# KiCad board Soft_Power_Switch_panelized.kicad_pcb (continued)
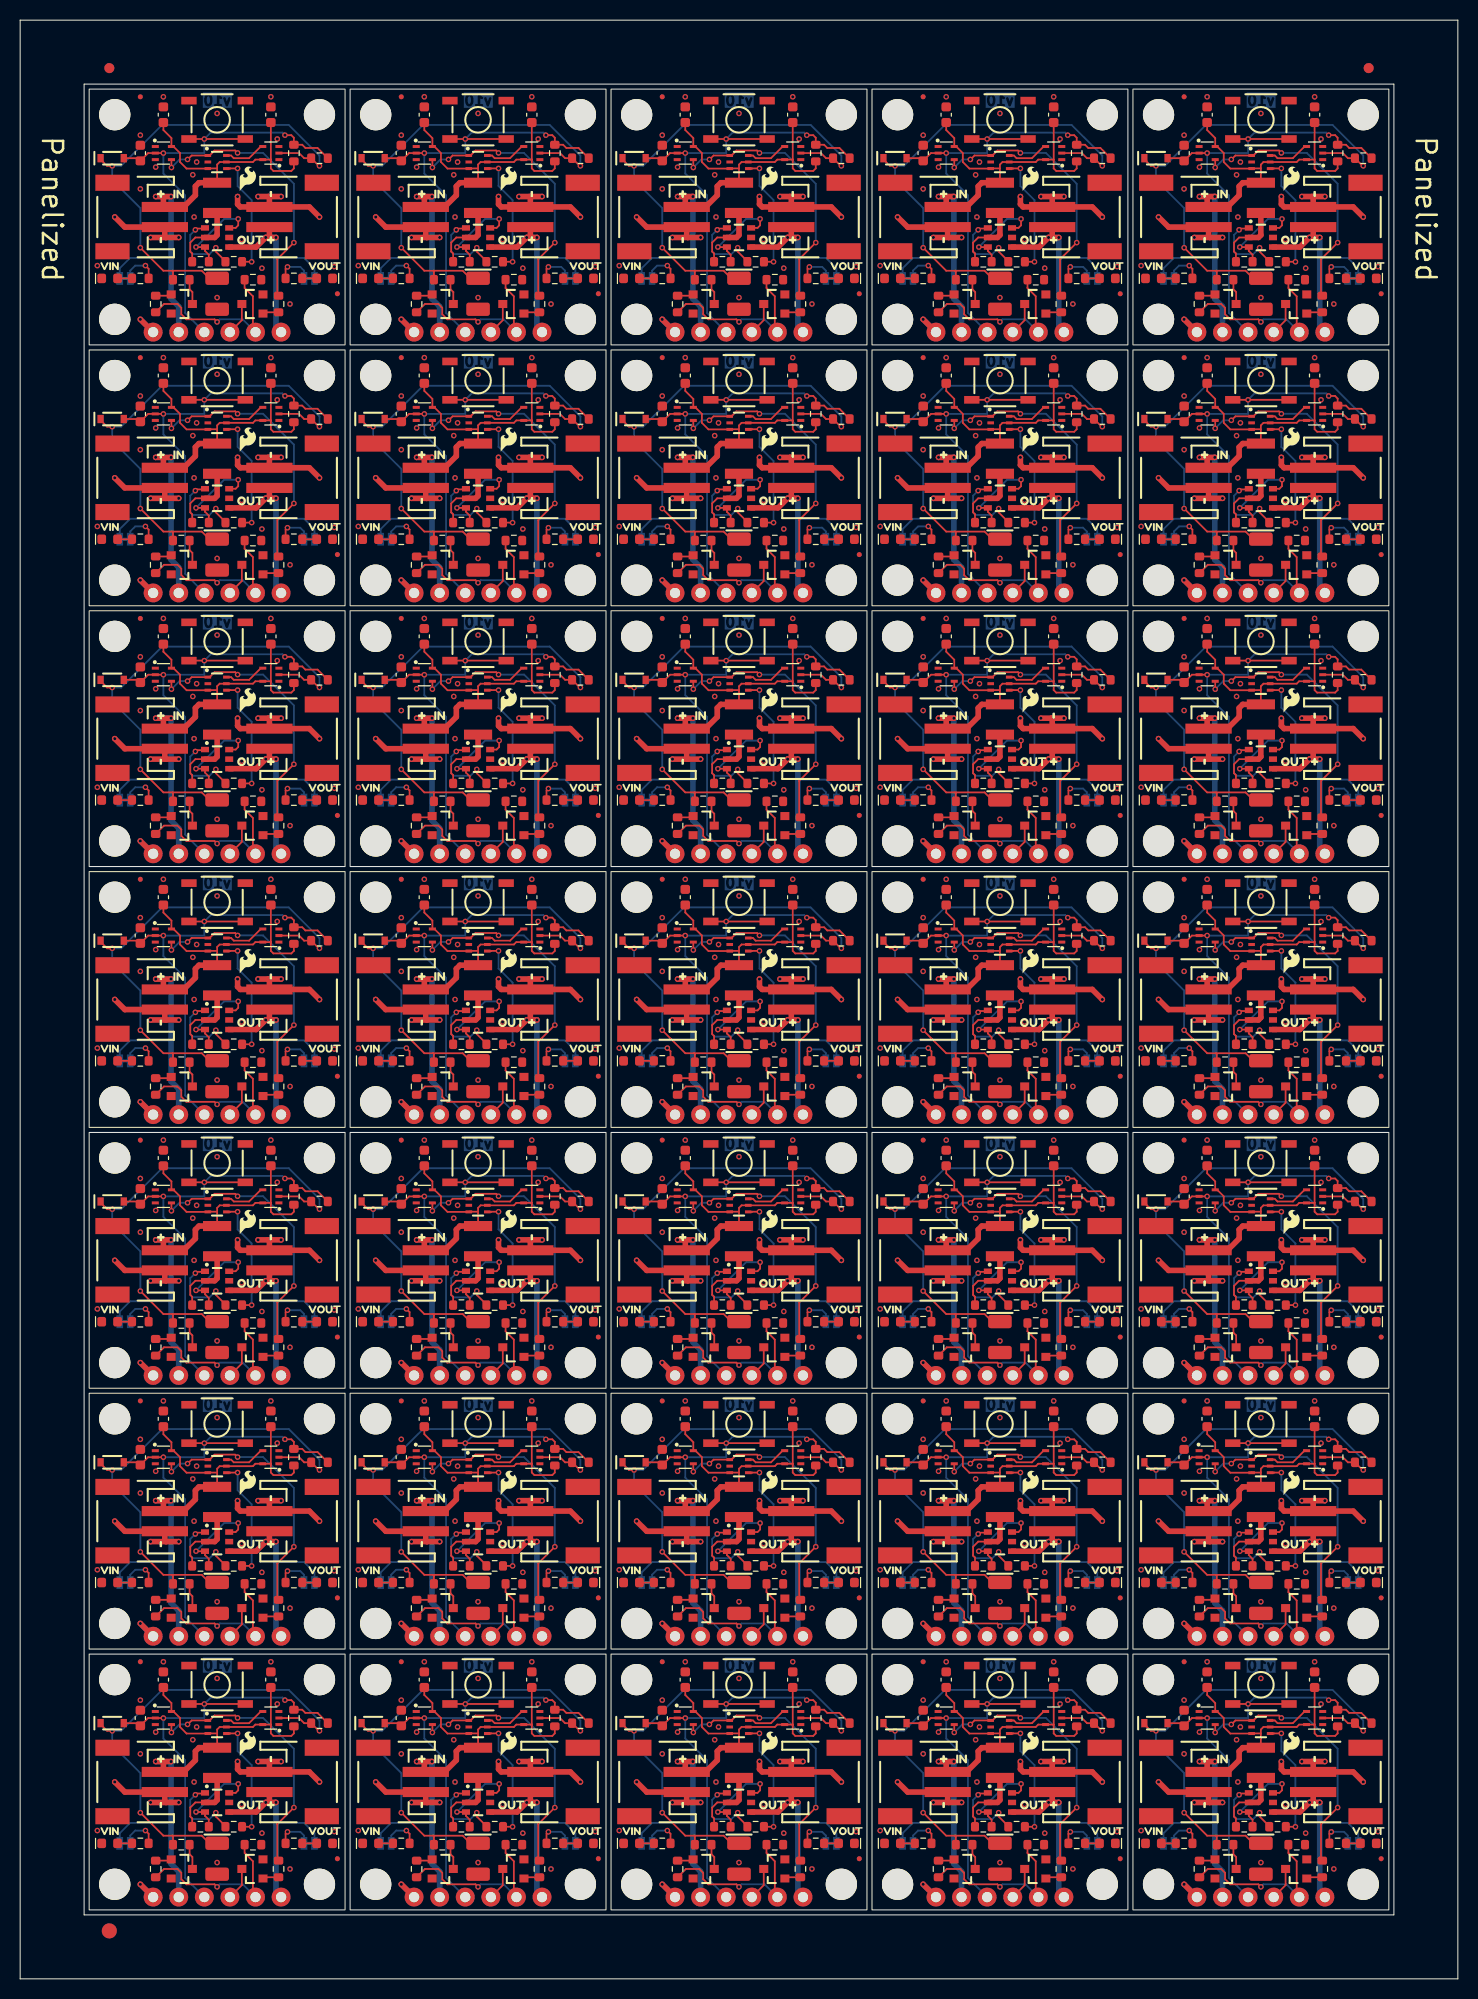
[diagram p0: board, top side]
## Placement (name value [footprint] x y rotation side) (continued)
R1#24  1k  [R_0603_1608Metric]  104.87 77.7 90 top
R1#25  1k  [R_0603_1608Metric]  27.17 51.8 90 top
R1#26  1k  [R_0603_1608Metric]  78.97 77.7 90 top
R1#27  1k  [R_0603_1608Metric]  104.87 103.6 90 top
R1#28  1k  [R_0603_1608Metric]  27.17 103.6 90 top
R1#29  1k  [R_0603_1608Metric]  27.17 77.7 90 top
R1#30  1k  [R_0603_1608Metric]  53.07 25.9 90 top
R1#31  1k  [R_0603_1608Metric]  78.97 129.5 90 top
R1#32  1k  [R_0603_1608Metric]  53.07 181.3 90 top
R1#33  1k  [R_0603_1608Metric]  78.97 155.4 90 top
R1#34  1k  [R_0603_1608Metric]  53.07 155.4 90 top
R1#35  1k  [R_0603_1608Metric]  53.07 77.7 90 top
R2  200k  [R_0603_1608Metric]  29.71 128.99 0 top
R2#2  200k  [R_0603_1608Metric]  81.51 103.09 0 top
R2#3  200k  [R_0603_1608Metric]  107.41 128.99 0 top
R2#4  200k  [R_0603_1608Metric]  81.51 25.39 0 top
R2#5  200k  [R_0603_1608Metric]  29.71 51.29 0 top
R2#6  200k  [R_0603_1608Metric]  55.61 154.89 0 top
R2#7  200k  [R_0603_1608Metric]  29.71 25.39 0 top
R2#8  200k  [R_0603_1608Metric]  107.41 77.19 0 top
R2#9  200k  [R_0603_1608Metric]  81.51 154.89 0 top
R2#10  200k  [R_0603_1608Metric]  55.61 180.79 0 top
R2#11  200k  [R_0603_1608Metric]  133.31 77.19 0 top
R2#12  200k  [R_0603_1608Metric]  133.31 103.09 0 top
R2#13  200k  [R_0603_1608Metric]  55.61 51.29 0 top
R2#14  200k  [R_0603_1608Metric]  81.51 51.29 0 top
R2#15  200k  [R_0603_1608Metric]  55.61 77.19 0 top
R2#16  200k  [R_0603_1608Metric]  81.51 180.79 0 top
R2#17  200k  [R_0603_1608Metric]  133.31 51.29 0 top
R2#18  200k  [R_0603_1608Metric]  29.71 154.89 0 top
R2#19  200k  [R_0603_1608Metric]  133.31 128.99 0 top
R2#20  200k  [R_0603_1608Metric]  107.41 180.79 0 top
R2#21  200k  [R_0603_1608Metric]  133.31 154.89 0 top
R2#22  200k  [R_0603_1608Metric]  55.61 103.09 0 top
R2#23  200k  [R_0603_1608Metric]  133.31 180.79 0 top
R2#24  200k  [R_0603_1608Metric]  107.41 25.39 0 top
R2#25  200k  [R_0603_1608Metric]  55.61 25.39 0 top
R2#26  200k  [R_0603_1608Metric]  29.71 77.19 0 top
R2#27  200k  [R_0603_1608Metric]  29.71 103.09 0 top
R2#28  200k  [R_0603_1608Metric]  55.61 128.99 0 top
R2#29  200k  [R_0603_1608Metric]  107.41 103.09 0 top
R2#30  200k  [R_0603_1608Metric]  81.51 128.99 0 top
R2#31  200k  [R_0603_1608Metric]  107.41 51.29 0 top
R2#32  200k  [R_0603_1608Metric]  81.51 77.19 0 top
R2#33  200k  [R_0603_1608Metric]  107.41 154.89 0 top
R2#34  200k  [R_0603_1608Metric]  133.31 25.39 0 top
R2#35  200k  [R_0603_1608Metric]  29.71 180.79 0 top
R3  10k  [R_0603_1608Metric]  89.63 142.95 180 top
R3#2  10k  [R_0603_1608Metric]  37.83 168.85 180 top
R3#3  10k  [R_0603_1608Metric]  37.83 142.95 180 top
R3#4  10k  [R_0603_1608Metric]  89.63 91.15 180 top
R3#5  10k  [R_0603_1608Metric]  115.53 91.15 180 top
R3#6  10k  [R_0603_1608Metric]  63.73 91.15 180 top
R3#7  10k  [R_0603_1608Metric]  89.63 168.85 180 top
R3#8  10k  [R_0603_1608Metric]  89.63 13.45 180 top
R3#9  10k  [R_0603_1608Metric]  11.93 142.95 180 top
R3#10  10k  [R_0603_1608Metric]  115.53 13.45 180 top
R3#11  10k  [R_0603_1608Metric]  115.53 39.35 180 top
R3#12  10k  [R_0603_1608Metric]  63.73 168.85 180 top
R3#13  10k  [R_0603_1608Metric]  11.93 65.25 180 top
R3#14  10k  [R_0603_1608Metric]  11.93 13.45 180 top
R3#15  10k  [R_0603_1608Metric]  11.93 168.85 180 top
R3#16  10k  [R_0603_1608Metric]  89.63 65.25 180 top
R3#17  10k  [R_0603_1608Metric]  63.73 39.35 180 top
R3#18  10k  [R_0603_1608Metric]  37.83 117.05 180 top
R3#19  10k  [R_0603_1608Metric]  89.63 117.05 180 top
R3#20  10k  [R_0603_1608Metric]  11.93 117.05 180 top
R3#21  10k  [R_0603_1608Metric]  115.53 117.05 180 top
R3#22  10k  [R_0603_1608Metric]  37.83 91.15 180 top
R3#23  10k  [R_0603_1608Metric]  63.73 117.05 180 top
R3#24  10k  [R_0603_1608Metric]  11.93 39.35 180 top
R3#25  10k  [R_0603_1608Metric]  37.83 65.25 180 top
R3#26  10k  [R_0603_1608Metric]  37.83 39.35 180 top
R3#27  10k  [R_0603_1608Metric]  115.53 142.95 180 top
R3#28  10k  [R_0603_1608Metric]  63.73 142.95 180 top
R3#29  10k  [R_0603_1608Metric]  89.63 39.35 180 top
R3#30  10k  [R_0603_1608Metric]  37.83 13.45 180 top
R3#31  10k  [R_0603_1608Metric]  63.73 65.25 180 top
R3#32  10k  [R_0603_1608Metric]  11.93 91.15 180 top
R3#33  10k  [R_0603_1608Metric]  115.53 168.85 180 top
R3#34  10k  [R_0603_1608Metric]  115.53 65.25 180 top
R3#35  10k  [R_0603_1608Metric]  63.73 13.45 180 top
R4  10k  [R_0603_1608Metric]  78.97 117.05 0 top
R4#2  10k  [R_0603_1608Metric]  104.87 91.15 0 top
R4#3  10k  [R_0603_1608Metric]  78.97 142.95 0 top
R4#4  10k  [R_0603_1608Metric]  130.77 13.45 0 top
R4#5  10k  [R_0603_1608Metric]  27.17 168.85 0 top
R4#6  10k  [R_0603_1608Metric]  27.17 13.45 0 top
R4#7  10k  [R_0603_1608Metric]  78.97 39.35 0 top
R4#8  10k  [R_0603_1608Metric]  78.97 65.25 0 top
R4#9  10k  [R_0603_1608Metric]  27.17 142.95 0 top
R4#10  10k  [R_0603_1608Metric]  53.07 65.25 0 top
R4#11  10k  [R_0603_1608Metric]  130.77 65.25 0 top
R4#12  10k  [R_0603_1608Metric]  53.07 142.95 0 top
R4#13  10k  [R_0603_1608Metric]  78.97 168.85 0 top
R4#14  10k  [R_0603_1608Metric]  130.77 39.35 0 top
R4#15  10k  [R_0603_1608Metric]  27.17 65.25 0 top
R4#16  10k  [R_0603_1608Metric]  130.77 142.95 0 top
R4#17  10k  [R_0603_1608Metric]  104.87 117.05 0 top
R4#18  10k  [R_0603_1608Metric]  53.07 13.45 0 top
R4#19  10k  [R_0603_1608Metric]  53.07 168.85 0 top
R4#20  10k  [R_0603_1608Metric]  53.07 117.05 0 top
R4#21  10k  [R_0603_1608Metric]  78.97 13.45 0 top
R4#22  10k  [R_0603_1608Metric]  104.87 168.85 0 top
R4#23  10k  [R_0603_1608Metric]  130.77 117.05 0 top
R4#24  10k  [R_0603_1608Metric]  104.87 142.95 0 top
R4#25  10k  [R_0603_1608Metric]  104.87 65.25 0 top
R4#26  10k  [R_0603_1608Metric]  27.17 39.35 0 top
R4#27  10k  [R_0603_1608Metric]  53.07 91.15 0 top
R4#28  10k  [R_0603_1608Metric]  104.87 39.35 0 top
R4#29  10k  [R_0603_1608Metric]  130.77 168.85 0 top
R4#30  10k  [R_0603_1608Metric]  78.97 91.15 0 top
R4#31  10k  [R_0603_1608Metric]  27.17 117.05 0 top
R4#32  10k  [R_0603_1608Metric]  104.87 13.45 0 top
R4#33  10k  [R_0603_1608Metric]  130.77 91.15 0 top
R4#34  10k  [R_0603_1608Metric]  27.17 91.15 0 top
R4#35  10k  [R_0603_1608Metric]  53.07 39.35 0 top
R5  100  [R_0603_1608Metric]  15.99 39.23 0 top
R5#2  100  [R_0603_1608Metric]  67.79 65.13 0 top
R5#3  100  [R_0603_1608Metric]  67.79 39.23 0 top
R5#4  100  [R_0603_1608Metric]  41.89 116.93 0 top
R5#5  100  [R_0603_1608Metric]  41.89 13.33 0 top
R5#6  100  [R_0603_1608Metric]  119.59 91.03 0 top
R5#7  100  [R_0603_1608Metric]  93.69 116.93 0 top
R5#8  100  [R_0603_1608Metric]  93.69 142.83 0 top
R5#9  100  [R_0603_1608Metric]  119.59 65.13 0 top
R5#10  100  [R_0603_1608Metric]  41.89 65.13 0 top
R5#11  100  [R_0603_1608Metric]  93.69 39.23 0 top
R5#12  100  [R_0603_1608Metric]  119.59 142.83 0 top
R5#13  100  [R_0603_1608Metric]  15.99 13.33 0 top
R5#14  100  [R_0603_1608Metric]  93.69 65.13 0 top
R5#15  100  [R_0603_1608Metric]  119.59 116.93 0 top
R5#16  100  [R_0603_1608Metric]  15.99 168.73 0 top
R5#17  100  [R_0603_1608Metric]  41.89 91.03 0 top
R5#18  100  [R_0603_1608Metric]  15.99 65.13 0 top
R5#19  100  [R_0603_1608Metric]  15.99 91.03 0 top
R5#20  100  [R_0603_1608Metric]  93.69 13.33 0 top
R5#21  100  [R_0603_1608Metric]  93.69 91.03 0 top
R5#22  100  [R_0603_1608Metric]  41.89 168.73 0 top
R5#23  100  [R_0603_1608Metric]  119.59 13.33 0 top
R5#24  100  [R_0603_1608Metric]  67.79 91.03 0 top
R5#25  100  [R_0603_1608Metric]  67.79 142.83 0 top
R5#26  100  [R_0603_1608Metric]  67.79 116.93 0 top
R5#27  100  [R_0603_1608Metric]  93.69 168.73 0 top
R5#28  100  [R_0603_1608Metric]  15.99 116.93 0 top
R5#29  100  [R_0603_1608Metric]  15.99 142.83 0 top
R5#30  100  [R_0603_1608Metric]  41.89 142.83 0 top
R5#31  100  [R_0603_1608Metric]  41.89 39.23 0 top
R5#32  100  [R_0603_1608Metric]  119.59 168.73 0 top
R5#33  100  [R_0603_1608Metric]  67.79 168.73 0 top
R5#34  100  [R_0603_1608Metric]  67.79 13.33 0 top
R5#35  100  [R_0603_1608Metric]  119.59 39.23 0 top
R6  1k  [R_0603_1608Metric]  65.25 114.51 270 top
R6#2  1k  [R_0603_1608Metric]  13.45 88.61 270 top
R6#3  1k  [R_0603_1608Metric]  65.25 10.91 270 top
R6#4  1k  [R_0603_1608Metric]  13.45 36.81 270 top
R6#5  1k  [R_0603_1608Metric]  91.15 62.71 270 top
R6#6  1k  [R_0603_1608Metric]  65.25 140.41 270 top
R6#7  1k  [R_0603_1608Metric]  65.25 62.71 270 top
R6#8  1k  [R_0603_1608Metric]  39.35 10.91 270 top
R6#9  1k  [R_0603_1608Metric]  117.05 62.71 270 top
R6#10  1k  [R_0603_1608Metric]  39.35 36.81 270 top
R6#11  1k  [R_0603_1608Metric]  91.15 10.91 270 top
R6#12  1k  [R_0603_1608Metric]  13.45 114.51 270 top
R6#13  1k  [R_0603_1608Metric]  39.35 140.41 270 top
R6#14  1k  [R_0603_1608Metric]  39.35 114.51 270 top
R6#15  1k  [R_0603_1608Metric]  117.05 10.91 270 top
R6#16  1k  [R_0603_1608Metric]  65.25 36.81 270 top
R6#17  1k  [R_0603_1608Metric]  39.35 88.61 270 top
R6#18  1k  [R_0603_1608Metric]  13.45 166.31 270 top
R6#19  1k  [R_0603_1608Metric]  91.15 166.31 270 top
R6#20  1k  [R_0603_1608Metric]  65.25 166.31 270 top
R6#21  1k  [R_0603_1608Metric]  91.15 114.51 270 top
R6#22  1k  [R_0603_1608Metric]  91.15 36.81 270 top
R6#23  1k  [R_0603_1608Metric]  91.15 88.61 270 top
R6#24  1k  [R_0603_1608Metric]  91.15 140.41 270 top
R6#25  1k  [R_0603_1608Metric]  13.45 10.91 270 top
R6#26  1k  [R_0603_1608Metric]  13.45 140.41 270 top
R6#27  1k  [R_0603_1608Metric]  117.05 114.51 270 top
R6#28  1k  [R_0603_1608Metric]  13.45 62.71 270 top
R6#29  1k  [R_0603_1608Metric]  39.35 62.71 270 top
R6#30  1k  [R_0603_1608Metric]  117.05 88.61 270 top
R6#31  1k  [R_0603_1608Metric]  65.25 88.61 270 top
R6#32  1k  [R_0603_1608Metric]  39.35 166.31 270 top
R6#33  1k  [R_0603_1608Metric]  117.05 140.41 270 top
R6#34  1k  [R_0603_1608Metric]  117.05 36.81 270 top
R6#35  1k  [R_0603_1608Metric]  117.05 166.31 270 top
R7  10k  [R_0603_1608Metric]  100.81 13.33 0 top
R7#2  10k  [R_0603_1608Metric]  23.11 91.03 0 top
R7#3  10k  [R_0603_1608Metric]  126.71 116.93 0 top
R7#4  10k  [R_0603_1608Metric]  100.81 142.83 0 top
R7#5  10k  [R_0603_1608Metric]  100.81 65.13 0 top
R7#6  10k  [R_0603_1608Metric]  100.81 168.73 0 top
R7#7  10k  [R_0603_1608Metric]  74.91 91.03 0 top
R7#8  10k  [R_0603_1608Metric]  49.01 39.23 0 top
R7#9  10k  [R_0603_1608Metric]  100.81 116.93 0 top
R7#10  10k  [R_0603_1608Metric]  74.91 168.73 0 top
R7#11  10k  [R_0603_1608Metric]  49.01 168.73 0 top
R7#12  10k  [R_0603_1608Metric]  74.91 116.93 0 top
R7#13  10k  [R_0603_1608Metric]  74.91 13.33 0 top
R7#14  10k  [R_0603_1608Metric]  126.71 168.73 0 top
R7#15  10k  [R_0603_1608Metric]  23.11 142.83 0 top
R7#16  10k  [R_0603_1608Metric]  126.71 142.83 0 top
R7#17  10k  [R_0603_1608Metric]  100.81 39.23 0 top
R7#18  10k  [R_0603_1608Metric]  23.11 168.73 0 top
R7#19  10k  [R_0603_1608Metric]  49.01 116.93 0 top
R7#20  10k  [R_0603_1608Metric]  49.01 91.03 0 top
R7#21  10k  [R_0603_1608Metric]  126.71 39.23 0 top
R7#22  10k  [R_0603_1608Metric]  126.71 65.13 0 top
R7#23  10k  [R_0603_1608Metric]  74.91 39.23 0 top
R7#24  10k  [R_0603_1608Metric]  23.11 13.33 0 top
R7#25  10k  [R_0603_1608Metric]  126.71 13.33 0 top
R7#26  10k  [R_0603_1608Metric]  100.81 91.03 0 top
R7#27  10k  [R_0603_1608Metric]  23.11 39.23 0 top
R7#28  10k  [R_0603_1608Metric]  74.91 142.83 0 top
R7#29  10k  [R_0603_1608Metric]  23.11 116.93 0 top
R7#30  10k  [R_0603_1608Metric]  49.01 142.83 0 top
R7#31  10k  [R_0603_1608Metric]  49.01 13.33 0 top
R7#32  10k  [R_0603_1608Metric]  23.11 65.13 0 top
R7#33  10k  [R_0603_1608Metric]  126.71 91.03 0 top
R7#34  10k  [R_0603_1608Metric]  74.91 65.13 0 top
R7#35  10k  [R_0603_1608Metric]  49.01 65.13 0 top
R8  1k  [R_0603_1608Metric]  129.25 62.71 270 top
R8#2  1k  [R_0603_1608Metric]  103.35 140.41 270 top
R8#3  1k  [R_0603_1608Metric]  129.25 88.61 270 top
R8#4  1k  [R_0603_1608Metric]  25.65 10.91 270 top
R8#5  1k  [R_0603_1608Metric]  51.55 36.81 270 top
R8#6  1k  [R_0603_1608Metric]  51.55 10.91 270 top
R8#7  1k  [R_0603_1608Metric]  129.25 114.51 270 top
R8#8  1k  [R_0603_1608Metric]  103.35 10.91 270 top
R8#9  1k  [R_0603_1608Metric]  51.55 114.51 270 top
R8#10  1k  [R_0603_1608Metric]  77.45 36.81 270 top
R8#11  1k  [R_0603_1608Metric]  103.35 114.51 270 top
R8#12  1k  [R_0603_1608Metric]  51.55 62.71 270 top
R8#13  1k  [R_0603_1608Metric]  25.65 88.61 270 top
R8#14  1k  [R_0603_1608Metric]  129.25 166.31 270 top
R8#15  1k  [R_0603_1608Metric]  77.45 166.31 270 top
R8#16  1k  [R_0603_1608Metric]  51.55 166.31 270 top
R8#17  1k  [R_0603_1608Metric]  77.45 10.91 270 top
R8#18  1k  [R_0603_1608Metric]  103.35 36.81 270 top
R8#19  1k  [R_0603_1608Metric]  51.55 140.41 270 top
R8#20  1k  [R_0603_1608Metric]  103.35 166.31 270 top
R8#21  1k  [R_0603_1608Metric]  25.65 140.41 270 top
R8#22  1k  [R_0603_1608Metric]  129.25 140.41 270 top
R8#23  1k  [R_0603_1608Metric]  25.65 36.81 270 top
R8#24  1k  [R_0603_1608Metric]  129.25 36.81 270 top
R8#25  1k  [R_0603_1608Metric]  25.65 166.31 270 top
R8#26  1k  [R_0603_1608Metric]  77.45 88.61 270 top
R8#27  1k  [R_0603_1608Metric]  77.45 114.51 270 top
R8#28  1k  [R_0603_1608Metric]  51.55 88.61 270 top
R8#29  1k  [R_0603_1608Metric]  25.65 62.71 270 top
R8#30  1k  [R_0603_1608Metric]  77.45 62.71 270 top
R8#31  1k  [R_0603_1608Metric]  77.45 140.41 270 top
R8#32  1k  [R_0603_1608Metric]  103.35 88.61 270 top
R8#33  1k  [R_0603_1608Metric]  129.25 10.91 270 top
R8#34  1k  [R_0603_1608Metric]  25.65 114.51 270 top
R8#35  1k  [R_0603_1608Metric]  103.35 62.71 270 top
R9  1k  [R_0603_1608Metric]  47.1 118.7 0 top
R9#2  1k  [R_0603_1608Metric]  124.8 66.91 0 top
R9#3  1k  [R_0603_1608Metric]  98.9 144.6 0 top
R9#4  1k  [R_0603_1608Metric]  21.2 92.81 0 top
R9#5  1k  [R_0603_1608Metric]  47.1 41 0 top
R9#6  1k  [R_0603_1608Metric]  21.2 66.91 0 top
R9#7  1k  [R_0603_1608Metric]  73 41 0 top
R9#8  1k  [R_0603_1608Metric]  98.9 118.7 0 top
R9#9  1k  [R_0603_1608Metric]  21.2 41 0 top
R9#10  1k  [R_0603_1608Metric]  21.2 144.6 0 top
R9#11  1k  [R_0603_1608Metric]  73 118.7 0 top
R9#12  1k  [R_0603_1608Metric]  73 15.11 0 top
R9#13  1k  [R_0603_1608Metric]  124.8 41 0 top
R9#14  1k  [R_0603_1608Metric]  73 66.91 0 top
R9#15  1k  [R_0603_1608Metric]  21.2 118.7 0 top
R9#16  1k  [R_0603_1608Metric]  47.1 92.81 0 top
R9#17  1k  [R_0603_1608Metric]  98.9 92.81 0 top
R9#18  1k  [R_0603_1608Metric]  124.8 170.5 0 top
R9#19  1k  [R_0603_1608Metric]  124.8 15.11 0 top
R9#20  1k  [R_0603_1608Metric]  73 144.6 0 top
R9#21  1k  [R_0603_1608Metric]  98.9 41 0 top
R9#22  1k  [R_0603_1608Metric]  124.8 144.6 0 top
R9#23  1k  [R_0603_1608Metric]  47.1 66.91 0 top
R9#24  1k  [R_0603_1608Metric]  73 170.5 0 top
R9#25  1k  [R_0603_1608Metric]  21.2 15.11 0 top
R9#26  1k  [R_0603_1608Metric]  98.9 66.91 0 top
R9#27  1k  [R_0603_1608Metric]  98.9 170.5 0 top
R9#28  1k  [R_0603_1608Metric]  47.1 15.11 0 top
R9#29  1k  [R_0603_1608Metric]  21.2 170.5 0 top
R9#30  1k  [R_0603_1608Metric]  98.9 15.11 0 top
R9#31  1k  [R_0603_1608Metric]  124.8 92.81 0 top
R9#32  1k  [R_0603_1608Metric]  124.8 118.7 0 top
R9#33  1k  [R_0603_1608Metric]  47.1 170.5 0 top
R9#34  1k  [R_0603_1608Metric]  73 92.81 0 top
R9#35  1k  [R_0603_1608Metric]  47.1 144.6 0 top
R10  100k  [R_0603_1608Metric]  95.6 118.7 180 top
R10#2  100k  [R_0603_1608Metric]  17.9 118.7 180 top
R10#3  100k  [R_0603_1608Metric]  69.7 15.11 180 top
R10#4  100k  [R_0603_1608Metric]  95.6 41 180 top
R10#5  100k  [R_0603_1608Metric]  43.8 92.81 180 top
R10#6  100k  [R_0603_1608Metric]  43.8 41 180 top
R10#7  100k  [R_0603_1608Metric]  17.9 92.81 180 top
R10#8  100k  [R_0603_1608Metric]  121.5 15.11 180 top
R10#9  100k  [R_0603_1608Metric]  43.8 118.7 180 top
R10#10  100k  [R_0603_1608Metric]  121.5 66.91 180 top
R10#11  100k  [R_0603_1608Metric]  43.8 170.5 180 top
R10#12  100k  [R_0603_1608Metric]  95.6 15.11 180 top
R10#13  100k  [R_0603_1608Metric]  69.7 144.6 180 top
R10#14  100k  [R_0603_1608Metric]  95.6 144.6 180 top
R10#15  100k  [R_0603_1608Metric]  17.9 41 180 top
R10#16  100k  [R_0603_1608Metric]  121.5 41 180 top
R10#17  100k  [R_0603_1608Metric]  43.8 66.91 180 top
R10#18  100k  [R_0603_1608Metric]  69.7 66.91 180 top
R10#19  100k  [R_0603_1608Metric]  95.6 92.81 180 top
R10#20  100k  [R_0603_1608Metric]  69.7 118.7 180 top
R10#21  100k  [R_0603_1608Metric]  69.7 41 180 top
R10#22  100k  [R_0603_1608Metric]  69.7 92.81 180 top
R10#23  100k  [R_0603_1608Metric]  17.9 144.6 180 top
R10#24  100k  [R_0603_1608Metric]  121.5 170.5 180 top
R10#25  100k  [R_0603_1608Metric]  43.8 15.11 180 top
R10#26  100k  [R_0603_1608Metric]  121.5 92.81 180 top
R10#27  100k  [R_0603_1608Metric]  17.9 15.11 180 top
R10#28  100k  [R_0603_1608Metric]  121.5 118.7 180 top
R10#29  100k  [R_0603_1608Metric]  95.6 170.5 180 top
R10#30  100k  [R_0603_1608Metric]  17.9 66.91 180 top
R10#31  100k  [R_0603_1608Metric]  95.6 66.91 180 top
R10#32  100k  [R_0603_1608Metric]  121.5 144.6 180 top
R10#33  100k  [R_0603_1608Metric]  43.8 144.6 180 top
R10#34  100k  [R_0603_1608Metric]  69.7 170.5 180 top
R10#35  100k  [R_0603_1608Metric]  17.9 170.5 180 top
Ref**  Val**  [OSHW_Logo_2.5mm]  19.55 170.5 180 bottom
Ref**#2  Val**  [OSHW_Logo_2.5mm]  45.45 66.91 180 bottom
Ref**#3  Val**  [OSHW_Logo_2.5mm]  19.55 66.91 180 bottom
Ref**#4  Val**  [OSHW_Logo_2.5mm]  71.35 144.6 180 bottom
Ref**#5  Val**  [OSHW_Logo_2.5mm]  71.35 41 180 bottom
Ref**#6  Val**  [OSHW_Logo_2.5mm]  19.55 118.7 180 bottom
Ref**#7  Val**  [OSHW_Logo_2.5mm]  45.45 118.7 180 bottom
Ref**#8  Val**  [OSHW_Logo_2.5mm]  45.45 144.6 180 bottom
Ref**#9  Val**  [OSHW_Logo_2.5mm]  71.35 170.5 180 bottom
Ref**#10  Val**  [OSHW_Logo_2.5mm]  97.25 15.11 180 bottom
Ref**#11  Val**  [OSHW_Logo_2.5mm]  45.45 15.11 180 bottom
Ref**#12  Val**  [OSHW_Logo_2.5mm]  71.35 92.81 180 bottom
Ref**#13  Val**  [OSHW_Logo_2.5mm]  97.25 118.7 180 bottom
Ref**#14  Val**  [OSHW_Logo_2.5mm]  123.15 41 180 bottom
Ref**#15  Val**  [OSHW_Logo_2.5mm]  97.25 66.91 180 bottom
Ref**#16  Val**  [OSHW_Logo_2.5mm]  123.15 92.81 180 bottom
Ref**#17  Val**  [OSHW_Logo_2.5mm]  97.25 170.5 180 bottom
Ref**#18  Val**  [OSHW_Logo_2.5mm]  45.45 41 180 bottom
Ref**#19  Val**  [OSHW_Logo_2.5mm]  71.35 66.91 180 bottom
Ref**#20  Val**  [OSHW_Logo_2.5mm]  19.55 15.11 180 bottom
Ref**#21  Val**  [OSHW_Logo_2.5mm]  71.35 118.7 180 bottom
Ref**#22  Val**  [OSHW_Logo_2.5mm]  45.45 92.81 180 bottom
Ref**#23  Val**  [OSHW_Logo_2.5mm]  71.35 15.11 180 bottom
Ref**#24  Val**  [OSHW_Logo_2.5mm]  123.15 144.6 180 bottom
Ref**#25  Val**  [OSHW_Logo_2.5mm]  97.25 41 180 bottom
Ref**#26  Val**  [OSHW_Logo_2.5mm]  19.55 41 180 bottom
Ref**#27  Val**  [OSHW_Logo_2.5mm]  123.15 66.91 180 bottom
Ref**#28  Val**  [OSHW_Logo_2.5mm]  19.55 144.6 180 bottom
Ref**#29  Val**  [OSHW_Logo_2.5mm]  19.55 92.81 180 bottom
Ref**#30  Val**  [OSHW_Logo_2.5mm]  123.15 170.5 180 bottom
Ref**#31  Val**  [OSHW_Logo_2.5mm]  45.45 170.5 180 bottom
Ref**#32  Val**  [OSHW_Logo_2.5mm]  97.25 92.81 180 bottom
Ref**#33  Val**  [OSHW_Logo_2.5mm]  123.15 15.11 180 bottom
Ref**#34  Val**  [OSHW_Logo_2.5mm]  123.15 118.7 180 bottom
Ref**#35  Val**  [OSHW_Logo_2.5mm]  97.25 144.6 180 bottom
ST1  -  [Standoff]  112.99 81.51 0 top
ST1#2  -  [Standoff]  35.29 55.61 0 top
ST1#3  -  [Standoff]  61.19 185.11 0 top
ST1#4  -  [Standoff]  87.09 55.61 0 top
ST1#5  -  [Standoff]  9.39 133.31 0 top
ST1#6  -  [Standoff]  61.19 133.31 0 top
ST1#7  -  [Standoff]  35.29 133.31 0 top
ST1#8  -  [Standoff]  35.29 159.21 0 top
ST1#9  -  [Standoff]  112.99 133.31 0 top
ST1#10  -  [Standoff]  61.19 107.41 0 top
ST1#11  -  [Standoff]  9.39 107.41 0 top
ST1#12  -  [Standoff]  9.39 185.11 0 top
ST1#13  -  [Standoff]  112.99 185.11 0 top
ST1#14  -  [Standoff]  112.99 55.61 0 top
ST1#15  -  [Standoff]  61.19 55.61 0 top
ST1#16  -  [Standoff]  112.99 29.71 0 top
ST1#17  -  [Standoff]  61.19 81.51 0 top
ST1#18  -  [Standoff]  35.29 29.71 0 top
ST1#19  -  [Standoff]  61.19 29.71 0 top
ST1#20  -  [Standoff]  87.09 29.71 0 top
ST1#21  -  [Standoff]  35.29 185.11 0 top
ST1#22  -  [Standoff]  112.99 159.21 0 top
ST1#23  -  [Standoff]  87.09 81.51 0 top
ST1#24  -  [Standoff]  87.09 185.11 0 top
ST1#25  -  [Standoff]  112.99 107.41 0 top
ST1#26  -  [Standoff]  87.09 107.41 0 top
ST1#27  -  [Standoff]  87.09 133.31 0 top
ST1#28  -  [Standoff]  35.29 81.51 0 top
ST1#29  -  [Standoff]  9.39 29.71 0 top
ST1#30  -  [Standoff]  9.39 55.61 0 top
ST1#31  -  [Standoff]  61.19 159.21 0 top
ST1#32  -  [Standoff]  9.39 159.21 0 top
ST1#33  -  [Standoff]  35.29 107.41 0 top
ST1#34  -  [Standoff]  87.09 159.21 0 top
ST1#35  -  [Standoff]  9.39 81.51 0 top
ST2  -  [Standoff]  87.09 164.79 0 top
ST2#2  -  [Standoff]  9.39 87.09 0 top
ST2#3  -  [Standoff]  9.39 112.99 0 top
ST2#4  -  [Standoff]  112.99 112.99 0 top
ST2#5  -  [Standoff]  112.99 138.89 0 top
ST2#6  -  [Standoff]  35.29 112.99 0 top
ST2#7  -  [Standoff]  61.19 61.19 0 top
ST2#8  -  [Standoff]  87.09 35.29 0 top
ST2#9  -  [Standoff]  35.29 9.39 0 top
ST2#10  -  [Standoff]  61.19 138.89 0 top
ST2#11  -  [Standoff]  9.39 164.79 0 top
ST2#12  -  [Standoff]  87.09 61.19 0 top
ST2#13  -  [Standoff]  112.99 164.79 0 top
ST2#14  -  [Standoff]  112.99 35.29 0 top
ST2#15  -  [Standoff]  87.09 9.39 0 top
ST2#16  -  [Standoff]  112.99 9.39 0 top
ST2#17  -  [Standoff]  35.29 138.89 0 top
ST2#18  -  [Standoff]  35.29 164.79 0 top
ST2#19  -  [Standoff]  112.99 61.19 0 top
ST2#20  -  [Standoff]  61.19 112.99 0 top
ST2#21  -  [Standoff]  61.19 35.29 0 top
ST2#22  -  [Standoff]  87.09 87.09 0 top
ST2#23  -  [Standoff]  35.29 61.19 0 top
ST2#24  -  [Standoff]  112.99 87.09 0 top
ST2#25  -  [Standoff]  35.29 35.29 0 top
ST2#26  -  [Standoff]  61.19 164.79 0 top
ST2#27  -  [Standoff]  35.29 87.09 0 top
ST2#28  -  [Standoff]  9.39 35.29 0 top
ST2#29  -  [Standoff]  87.09 138.89 0 top
ST2#30  -  [Standoff]  61.19 9.39 0 top
ST2#31  -  [Standoff]  9.39 61.19 0 top
ST2#32  -  [Standoff]  87.09 112.99 0 top
ST2#33  -  [Standoff]  61.19 87.09 0 top
ST2#34  -  [Standoff]  9.39 138.89 0 top
ST2#35  -  [Standoff]  9.39 9.39 0 top
ST3  -  [Standoff]  133.31 81.51 0 top
ST3#2  -  [Standoff]  133.31 185.11 0 top
ST3#3  -  [Standoff]  81.51 81.51 0 top
ST3#4  -  [Standoff]  55.61 107.41 0 top
ST3#5  -  [Standoff]  107.41 185.11 0 top
ST3#6  -  [Standoff]  29.71 29.71 0 top
ST3#7  -  [Standoff]  133.31 29.71 0 top
ST3#8  -  [Standoff]  133.31 133.31 0 top
ST3#9  -  [Standoff]  81.51 29.71 0 top
ST3#10  -  [Standoff]  107.41 107.41 0 top
ST3#11  -  [Standoff]  29.71 133.31 0 top
ST3#12  -  [Standoff]  133.31 159.21 0 top
ST3#13  -  [Standoff]  55.61 133.31 0 top
ST3#14  -  [Standoff]  29.71 107.41 0 top
ST3#15  -  [Standoff]  29.71 55.61 0 top
ST3#16  -  [Standoff]  55.61 185.11 0 top
ST3#17  -  [Standoff]  29.71 185.11 0 top
ST3#18  -  [Standoff]  107.41 133.31 0 top
ST3#19  -  [Standoff]  81.51 107.41 0 top
ST3#20  -  [Standoff]  107.41 29.71 0 top
ST3#21  -  [Standoff]  107.41 81.51 0 top
ST3#22  -  [Standoff]  55.61 159.21 0 top
ST3#23  -  [Standoff]  29.71 159.21 0 top
ST3#24  -  [Standoff]  29.71 81.51 0 top
ST3#25  -  [Standoff]  107.41 55.61 0 top
ST3#26  -  [Standoff]  133.31 107.41 0 top
ST3#27  -  [Standoff]  81.51 133.31 0 top
ST3#28  -  [Standoff]  81.51 55.61 0 top
ST3#29  -  [Standoff]  55.61 55.61 0 top
ST3#30  -  [Standoff]  81.51 159.21 0 top
ST3#31  -  [Standoff]  133.31 55.61 0 top
ST3#32  -  [Standoff]  55.61 29.71 0 top
ST3#33  -  [Standoff]  107.41 159.21 0 top
ST3#34  -  [Standoff]  81.51 185.11 0 top
ST3#35  -  [Standoff]  55.61 81.51 0 top
ST4  -  [Standoff]  55.61 87.09 0 top
ST4#2  -  [Standoff]  29.71 61.19 0 top
ST4#3  -  [Standoff]  55.61 138.89 0 top
ST4#4  -  [Standoff]  133.31 61.19 0 top
ST4#5  -  [Standoff]  107.41 112.99 0 top
ST4#6  -  [Standoff]  133.31 164.79 0 top
ST4#7  -  [Standoff]  81.51 9.39 0 top
ST4#8  -  [Standoff]  29.71 138.89 0 top
ST4#9  -  [Standoff]  81.51 61.19 0 top
ST4#10  -  [Standoff]  107.41 164.79 0 top
ST4#11  -  [Standoff]  29.71 9.39 0 top
ST4#12  -  [Standoff]  81.51 112.99 0 top
ST4#13  -  [Standoff]  133.31 138.89 0 top
ST4#14  -  [Standoff]  81.51 87.09 0 top
ST4#15  -  [Standoff]  55.61 9.39 0 top
ST4#16  -  [Standoff]  81.51 35.29 0 top
ST4#17  -  [Standoff]  55.61 61.19 0 top
ST4#18  -  [Standoff]  107.41 9.39 0 top
ST4#19  -  [Standoff]  29.71 87.09 0 top
ST4#20  -  [Standoff]  29.71 35.29 0 top
ST4#21  -  [Standoff]  81.51 164.79 0 top
ST4#22  -  [Standoff]  29.71 164.79 0 top
ST4#23  -  [Standoff]  133.31 9.39 0 top
ST4#24  -  [Standoff]  29.71 112.99 0 top
ST4#25  -  [Standoff]  133.31 87.09 0 top
ST4#26  -  [Standoff]  107.41 138.89 0 top
ST4#27  -  [Standoff]  107.41 61.19 0 top
ST4#28  -  [Standoff]  133.31 112.99 0 top